# Altium PCB PCB2.PcbDoc (part 11 of 16) (continued)
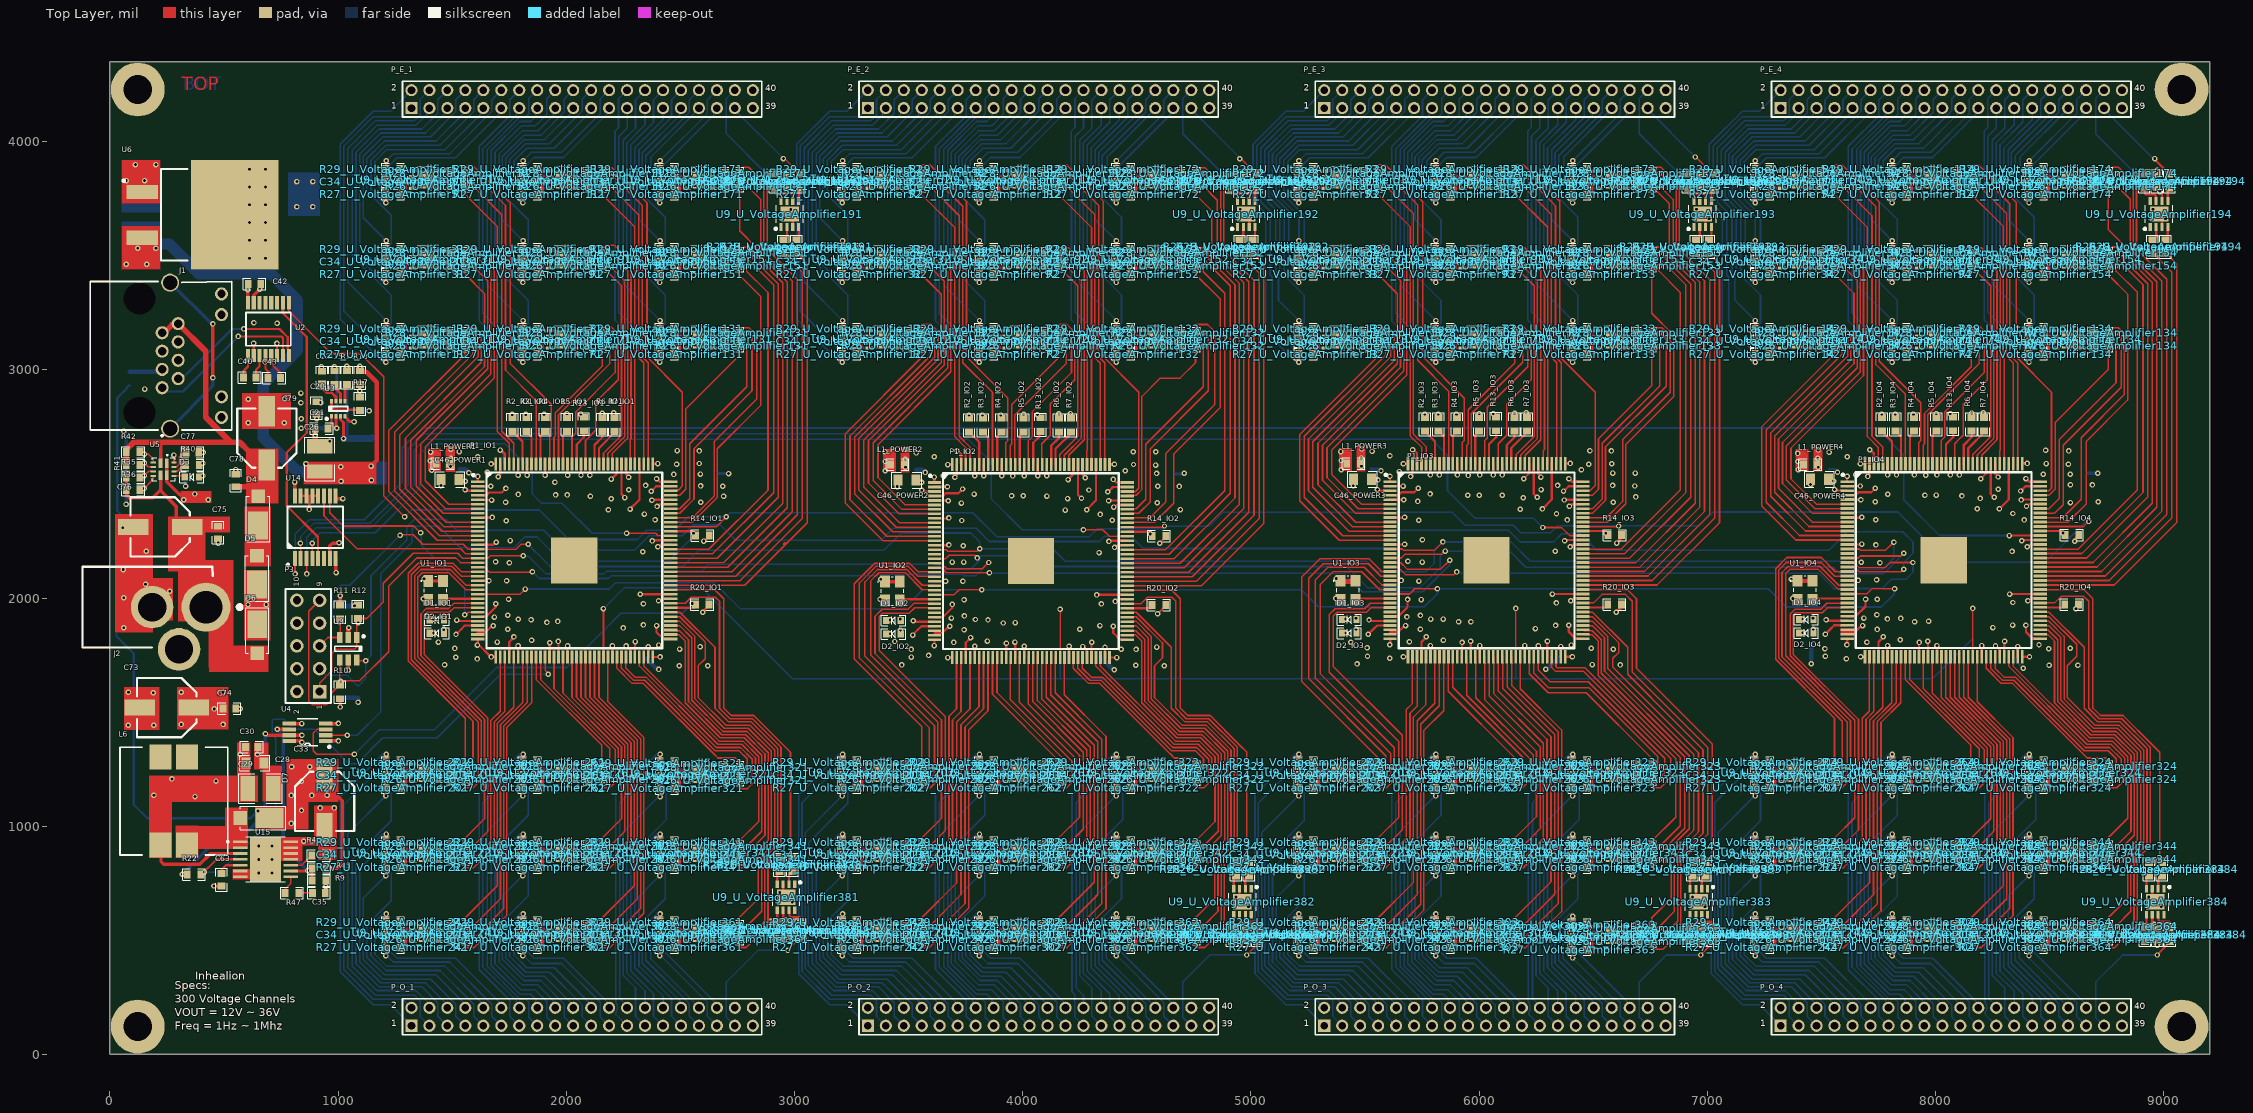
[diagram p0: Top Layer view]
## Nets (pads, with @x,y where several pads share a name; then routed paths per layer and width w, separated by ;. In a path a pad name is that pad's centre, name@x,y a point inside that pad or via, vN(x,y) a via of type N, cw(c..) or ccw(c..) an arc to the next point about the centre after c; other vN are vias at no path point) (continued)
  Top Layer w10: R26_U_VoltageAmplifier153.1@6756.63,3454.72 R26_U_VoltageAmplifier153.1@6757.09,3455.18
V_F3_IN30: P1_IO3.91 R28_U_VoltageAmplifier153.1 | length 1786.6
  Top Layer w7: P1_IO3.91@6455.48,2175.23 6455.68,2175.03 6659.83,2175.03 6926.93,2442.13 6926.93,3376.44 6815.11,3488.26 6815.11,3520.33 6797.31,3538.13 6773.99,3538.13 6753.99,3518.13 R28_U_VoltageAmplifier153.1@6753.99,3515.63
  Top Layer w10: R28_U_VoltageAmplifier153.1@6753.99,3515.63 R28_U_VoltageAmplifier153.1@6754.45,3516.09
V_F3_IN31: P1_IO3.92 R26_U_VoltageAmplifier163.1 | length 1698.1
  Top Layer w7: P1_IO3.92@6455.48,2194.91 6455.68,2194.72 6638.64,2194.72 6906.36,2462.43 6906.36,3372.08 6787.99,3490.45 v1@6787.99,3515.63
  Bottom Layer w10: R26_U_VoltageAmplifier163.1@6757.09,3512.18 v1(6791.09,3512.18)
V_F3_IN32: P1_IO3.93 R28_U_VoltageAmplifier163.1 | length 1591.7
  Top Layer w7: P1_IO3.93@6455.48,2214.6 6455.68,2214.4 6622.62,2214.4 6881.87,2473.65 6881.87,3339.17 6787.99,3433.06 v1@6787.99,3458.63
  Bottom Layer w10: R28_U_VoltageAmplifier163.1@6757.09,3455.18 v1(6791.09,3455.18)
V_F3_IN33: P1_IO3.90 R26_U_VoltageAmplifier173.1 | length 2068.9
  Top Layer w7: P1_IO3.90@6455.48,2155.54 6455.68,2155.35 6687.1,2155.35 6946.52,2414.77 6946.52,3382.13 6833.14,3495.51 6833.14,3729.13 6771.09,3791.18 6768.59,3791.18 6757.09,3802.68 R26_U_VoltageAmplifier173.1@6757.09,3805.18
V_F3_IN34: P1_IO3.87 R28_U_VoltageAmplifier173.1 | length 2331.4
  Top Layer w7: P1_IO3.87@6455.48,2096.49 6455.68,2096.29 6740.21,2096.29 7010.18,2366.26 7010.18,3396.25 6877.86,3528.57 6877.86,3807.57 6797.31,3888.13 6773.99,3888.13 6753.99,3868.13 R28_U_VoltageAmplifier173.1@6753.99,3865.63
  Top Layer w10: R28_U_VoltageAmplifier173.1@6753.99,3865.63 R28_U_VoltageAmplifier173.1@6754.45,3866.09
V_F3_IN35: P1_IO3.88 R26_U_VoltageAmplifier183.1 | length 2244.3
  Top Layer w7: P1_IO3.88@6455.48,2116.17 6455.68,2115.98 6724.24,2115.98 6987.66,2379.39 6987.66,3389.61 6863.86,3513.4 6863.86,3789.75 v1@6787.99,3865.63
  Bottom Layer w10: R26_U_VoltageAmplifier183.1@6757.09,3862.18 v1(6791.09,3862.18)
V_F3_IN36: P1_IO3.89 R28_U_VoltageAmplifier183.1 | length 2138.4
  Top Layer w7: P1_IO3.89@6455.48,2135.86 6455.68,2135.66 6704.8,2135.66 6966.11,2396.97 6966.11,3385.23 6849.86,3501.47 6849.86,3746.75 v1@6787.99,3808.63
  Bottom Layer w10: R28_U_VoltageAmplifier183.1@6757.09,3805.18 v1(6791.09,3805.18)
V_F3_IN37: P1_IO3.86 R26_U_VoltageAmplifier193.1 | length 1888.6
  Top Layer w7: P1_IO3.86@6455.48,2076.8 6455.68,2076.61 6758.78,2076.61 7032.71,2350.53 7032.71,3428.25 R26_U_VoltageAmplifier193.1@6947.75,3513.21
V_F3_IN38: P1_IO3.85 R28_U_VoltageAmplifier193.1 | length 1914.2
  Top Layer w7: P1_IO3.85@6455.48,2057.12 6455.68,2056.92 6779.97,2056.92 7053.28,2330.23 7053.28,3464.68 R28_U_VoltageAmplifier193.1@7004.75,3513.21
V_F3_IN39: P1_IO3.25 R26_U_VoltageAmplifier203.1 | length 1473.9
  Top Layer w7: R26_U_VoltageAmplifier203.1@5557.09,1205.18 5557.09,1172.74 5561.19,1168.64 5594.15,1168.64 5627.59,1202.08 5627.59,1344.21 5304.45,1667.35 5304.45,2060.65 5359.39,2115.59 5486.13,2115.59 5565.14,2036.58 P1_IO3.25@5611.97,2036.58
V_F3_IN40: P1_IO3.21 R28_U_VoltageAmplifier203.1 | length 1414
  Top Layer w7: R28_U_VoltageAmplifier203.1@5557.55,1262.64 5557.55,1298.72 5223.44,1632.82 5223.44,2093.76 5301.05,2171.37 5518.49,2171.37 5574.54,2115.32 P1_IO3.21@5611.97,2115.32
  Top Layer w10: R28_U_VoltageAmplifier203.1@5557.09,1262.18 R28_U_VoltageAmplifier203.1@5557.55,1262.64
V_F3_IN41: P1_IO3.22 R26_U_VoltageAmplifier213.1 | length 1406.4
  Top Layer w7: v1(5591.09,1262.18) 5591.09,1308.83 5253.11,1646.81 5253.11,2086.54 5317.03,2150.47 5514.4,2150.47 5569.23,2095.64 P1_IO3.22@5611.97,2095.64
  Bottom Layer w10: R26_U_VoltageAmplifier213.1@5557.09,1262.18 v1(5591.09,1262.18)
V_F3_IN42: P1_IO3.24 R28_U_VoltageAmplifier213.1 | length 1439.6
  Top Layer w7: v1(5591.09,1205.18) 5613.59,1227.68 5613.59,1317.14 5281.63,1649.09 5281.63,2079.13 5337.52,2135.02 5496.68,2135.02 5574.54,2057.17 P1_IO3.24@5611.07,2057.17
  Bottom Layer w10: R28_U_VoltageAmplifier213.1@5557.09,1205.18 v1(5591.09,1205.18)
V_F3_IN43: P1_IO3.39 R26_U_VoltageAmplifier223.1 | length 1049.7
  Top Layer w7: R26_U_VoltageAmplifier223.1@5557.09,855.18 5557.09,822.74 5561.19,818.64 5592.16,818.64 5697.26,923.74 5697.26,1494.7 5728.11,1525.55 5728.11,1742.13 P1_IO3.39@5727.61,1742.63
V_F3_IN44: P1_IO3.28 R28_U_VoltageAmplifier223.1 | length 1467.9
  Top Layer w7: R28_U_VoltageAmplifier223.1@5557.09,912.18 5557.09,948.26 5647.26,1038.44 5647.26,1371.31 5343.37,1675.2 5343.37,1927.49 5369.14,1953.26 5498.93,1953.26 5523.2,1977.53 P1_IO3.28@5611.97,1977.53
V_F3_IN45: P1_IO3.29 R26_U_VoltageAmplifier233.1 | length 1463.4
  Top Layer w7: v1(5591.09,912.18) 5662.61,983.7 5662.61,1398.18 5361.26,1699.52 5361.26,1921.3 5377.78,1937.82 5506.23,1937.82 5526.25,1957.84 P1_IO3.29@5611.97,1957.84
  Bottom Layer w10: R26_U_VoltageAmplifier233.1@5557.09,912.18 v1(5591.09,912.18)
V_F3_IN46: P1_IO3.38 R28_U_VoltageAmplifier233.1 | length 969.8
  Top Layer w7: v1(5591.09,855.18) 5681.26,945.35 5681.26,1511.37 5707.64,1537.74 5707.64,1742.34 P1_IO3.38@5707.92,1742.63
  Bottom Layer w10: R28_U_VoltageAmplifier233.1@5557.09,855.18 v1(5591.09,855.18)
V_F3_IN47: P1_IO3.45 R26_U_VoltageAmplifier243.1 | length 1450.9
  Top Layer w7: R26_U_VoltageAmplifier243.1@5556.63,504.72 5556.63,472.28 5560.73,468.18 5594.04,468.18 5758.19,632.34 5758.19,1420.06 5844.64,1506.51 5844.64,1741.54 P1_IO3.45@5845.72,1742.63
  Top Layer w10: R26_U_VoltageAmplifier243.1@5556.63,504.72 R26_U_VoltageAmplifier243.1@5557.09,505.18
V_F3_IN48: P1_IO3.41 R28_U_VoltageAmplifier243.1 | length 1267.4
  Top Layer w7: R28_U_VoltageAmplifier243.1@5557.55,562.64 5557.55,598.72 5712.14,753.32 5712.14,1478.54 5766.94,1533.35 P1_IO3.41@5766.98,1742.63 P1_IO3.41@5766.98,1742.63
  Top Layer w10: R28_U_VoltageAmplifier243.1@5557.09,562.18 R28_U_VoltageAmplifier243.1@5557.55,562.64
V_F3_IN49: P1_IO3.43 R26_U_VoltageAmplifier253.1 | length 1303.6
  Top Layer w7: v1(5591.09,562.18) 5729.21,700.31 5729.21,1462.31 5805.27,1538.36 5805.27,1741.54 P1_IO3.43@5806.35,1742.63
  Bottom Layer w10: R26_U_VoltageAmplifier253.1@5557.09,562.18 v1(5591.09,562.18)
V_F3_IN50: P1_IO3.44 R28_U_VoltageAmplifier253.1 | length 1368.8
  Top Layer w7: v1(5591.09,505.18) 5743.82,657.92 5743.82,1446.53 5824.95,1527.65 5824.95,1741.54 P1_IO3.44@5826.03,1742.63
  Bottom Layer w10: R28_U_VoltageAmplifier253.1@5557.09,505.18 v1(5591.09,505.18)
V_F3_IN51: P1_IO3.52 R26_U_VoltageAmplifier263.1 | length 764
  Top Layer w7: P1_IO3.52@5985.51,1741.78 5985.51,1563.29 6237.26,1311.55 6237.26,1215.95 6189.95,1168.64 6161.19,1168.64 6157.09,1172.74 R26_U_VoltageAmplifier263.1@6157.09,1205.18
V_F3_IN52: P1_IO3.46 R28_U_VoltageAmplifier263.1 | length 602.2
  Top Layer w7: P1_IO3.46@5865.4,1742.63 5864.32,1741.54 5864.32,1591.95 6156.96,1299.3 6156.96,1262.3 R28_U_VoltageAmplifier263.1@6157.09,1262.18
V_F3_IN53: P1_IO3.47 R26_U_VoltageAmplifier273.1 | length 642.1
  Top Layer w7: P1_IO3.47@5885.09,1742.63 5884.01,1741.54 5884.01,1609.03 6191.09,1301.95 v1(6191.09,1262.18)
  Bottom Layer w10: R26_U_VoltageAmplifier273.1@6157.09,1262.18 v1(6191.09,1262.18)
V_F3_IN54: P1_IO3.50 R28_U_VoltageAmplifier273.1 | length 697.1
  Top Layer w7: P1_IO3.50@5946.14,1741.78 5946.14,1573.31 6221.26,1298.19 6221.26,1235.35 v1(6191.09,1205.18)
  Bottom Layer w10: R28_U_VoltageAmplifier273.1@6157.09,1205.18 v1(6191.09,1205.18)
V_F3_IN55: P1_IO3.57 R26_U_VoltageAmplifier283.1 | length 1127.6
  Top Layer w7: P1_IO3.57@6081.94,1742.63 6083.07,1741.49 6083.07,1594.15 6297.26,1379.96 6297.26,922.51 6193.16,818.41 6160.96,818.41 6156.86,822.51 R26_U_VoltageAmplifier283.1@6156.86,854.95
  Top Layer w10: R26_U_VoltageAmplifier283.1@6156.63,854.72 R26_U_VoltageAmplifier283.1@6157.09,855.18
V_F3_IN56: P1_IO3.54 R28_U_VoltageAmplifier283.1 | length 964.1
  Top Layer w7: P1_IO3.54@6022.89,1742.63 6024.02,1741.49 6024.02,1554.87 6251.26,1327.63 6251.26,1042.44 6157.09,948.26 R28_U_VoltageAmplifier283.1@6157.09,912.18
V_F3_IN57: P1_IO3.55 R26_U_VoltageAmplifier293.1 | length 989.1
  Top Layer w7: P1_IO3.55@6042.57,1742.63 6043.7,1741.49 6043.7,1571.88 6267.26,1348.32 6267.26,988.35 v1(6191.09,912.18)
  Bottom Layer w10: R26_U_VoltageAmplifier293.1@6157.09,912.18 v1(6191.09,912.18)
V_F3_IN58: P1_IO3.56 R28_U_VoltageAmplifier293.1 | length 1049.5
  Top Layer w7: P1_IO3.56@6062.26,1742.63 6063.39,1741.49 6063.39,1581.54 6281.26,1363.67 6281.26,945.35 v1(6191.09,855.18)
  Bottom Layer w10: R28_U_VoltageAmplifier293.1@6157.09,855.18 v1(6191.09,855.18)
V_F3_IN59: P1_IO3.62 R26_U_VoltageAmplifier303.1 | length 1496.5
  Top Layer w7: R26_U_VoltageAmplifier303.1@6156.63,504.72 6156.63,472.28 6160.73,468.18 6203.31,468.18 6361.26,626.13 6361.26,1421.41 6180.04,1602.63 6180.04,1742.3 P1_IO3.62@6180.37,1742.63
  Top Layer w10: R26_U_VoltageAmplifier303.1@6156.63,504.72 R26_U_VoltageAmplifier303.1@6157.09,505.18
V_F3_IN60: P1_IO3.58 R28_U_VoltageAmplifier303.1 | length 1334.2
  Top Layer w7: P1_IO3.58@6101.63,1742.63 6102.76,1741.49 6102.76,1604.55 6314.95,1392.35 6314.95,756.13 6157.55,598.72 R28_U_VoltageAmplifier303.1@6157.55,562.64
  Top Layer w10: R28_U_VoltageAmplifier303.1@6157.09,562.18 R28_U_VoltageAmplifier303.1@6157.55,562.64
V_F3_IN61: P1_IO3.59 R26_U_VoltageAmplifier313.1 | length 1359.5
  Top Layer w7: P1_IO3.59@6121.31,1742.63 6122.44,1741.49 6122.44,1610.55 6331.26,1401.73 6331.26,702.35 v1(6191.09,562.18)
  Bottom Layer w10: R26_U_VoltageAmplifier313.1@6157.09,562.18 v1(6191.09,562.18)
V_F3_IN62: P1_IO3.60 R28_U_VoltageAmplifier313.1 | length 1421.6
  Top Layer w7: P1_IO3.60@6141,1742.63 6142.13,1741.49 6142.13,1618.01 6347.26,1412.88 6347.26,661.35 v1(6191.09,505.18)
  Bottom Layer w10: R28_U_VoltageAmplifier313.1@6157.09,505.18 v1(6191.09,505.18)
V_F3_IN63: P1_IO3.69 R26_U_VoltageAmplifier323.1 | length 952.9
  Top Layer w7: P1_IO3.69@6318.16,1742.63 6317.36,1741.83 6317.36,1696.28 6335.2,1678.43 6458.18,1678.43 6839.14,1297.47 6839.14,1212.61 6795.17,1168.64 6761.19,1168.64 6757.09,1172.74 R26_U_VoltageAmplifier323.1@6757.09,1205.18
V_F3_IN64: P1_IO3.64 R28_U_VoltageAmplifier323.1 | length 800.6
  Top Layer w7: P1_IO3.64@6219.74,1742.63 6219.74,1668.25 6303.09,1584.89 6468.96,1584.89 6757.55,1296.31 R28_U_VoltageAmplifier323.1@6757.55,1262.64
  Top Layer w10: R28_U_VoltageAmplifier323.1@6757.09,1262.18 R28_U_VoltageAmplifier323.1@6757.55,1262.64
V_F3_IN65: P1_IO3.65 R26_U_VoltageAmplifier333.1 | length 845
  Top Layer w7: P1_IO3.65@6239.42,1742.63 6238.7,1741.91 6238.7,1672.03 6304.21,1606.52 6481.57,1606.52 6754.38,1333.7 6782.59,1305.5 6782.59,1274.78 v1@6792.26,1265.11
  Bottom Layer w10: R26_U_VoltageAmplifier333.1@6757.09,1262.18 v1(6791.09,1262.18)
V_F3_IN66: P1_IO3.66 R28_U_VoltageAmplifier333.1 | length 912
  Top Layer w7: P1_IO3.66@6259.11,1742.63 6259.11,1684.21 6310.3,1633.01 6478.38,1633.01 6813.59,1297.81 6813.59,1232.06 6792.26,1210.73 v1@6792.26,1201.59
  Bottom Layer w10: R28_U_VoltageAmplifier333.1@6757.09,1205.18 v1(6791.09,1205.18)
V_F3_IN67: P1_IO3.76 R26_U_VoltageAmplifier343.1 | length 1401.2
  Top Layer w7: P1_IO3.76@6457.48,1879.1 6496.09,1879.1 6549.46,1825.73 6549.46,1680.02 6921.26,1308.22 6921.26,988.98 6819.14,886.86 6819.14,844.99 6791.17,817.03 6760.73,817.03 6756.63,821.13 R26_U_VoltageAmplifier343.1@6756.63,854.72
  Top Layer w10: R26_U_VoltageAmplifier343.1@6756.63,854.72 R26_U_VoltageAmplifier343.1@6757.09,855.18
V_F3_IN68: P1_IO3.70 R28_U_VoltageAmplifier343.1 | length 1163.3
  Top Layer w7: P1_IO3.70@6337.85,1742.63 6336.82,1741.61 6336.82,1698.21 6340.92,1694.11 6463.93,1694.11 6861.26,1296.79 6861.26,1039.31 6757.09,935.13 R28_U_VoltageAmplifier343.1@6757.09,912.18
V_F3_IN69: P1_IO3.74 R26_U_VoltageAmplifier353.1 | length 1195.3
  Top Layer w7: P1_IO3.74@6457.48,1839.73 6493.02,1839.73 6521.46,1811.29 6521.46,1660.57 6764.27,1417.76 6881.26,1300.77 6881.26,1002.35 v1(6791.09,912.18)
  Bottom Layer w10: R26_U_VoltageAmplifier353.1@6757.09,912.18 v1(6791.09,912.18)
V_F3_IN70: P1_IO3.75 R28_U_VoltageAmplifier353.1 | length 1288.6
  Top Layer w7: P1_IO3.75@6457.48,1859.42 6459.89,1857.01 6495.54,1857.01 6535.46,1817.09 6535.46,1669.89 6901.26,1304.09 6901.26,990.53 6791.09,880.36 v1(6791.09,855.18)
  Bottom Layer w10: R28_U_VoltageAmplifier353.1@6757.09,855.18 v1(6791.09,855.18)
V_F3_IN71: P1_IO3.81 R26_U_VoltageAmplifier363.1 | length 2068.3
  Top Layer w7: P1_IO3.81@6455.48,1978.38 6458.58,1978.38 6501.33,1978.38 6538.54,2015.59 6641.26,2015.59 6671.26,1985.59 6671.26,1675.59 7001.26,1345.59 7001.26,963.51 6883.9,846.14 6883.9,538.79 6862.29,517.18 6862.29,516.62 6806.1,460.43 6760.73,460.43 6756.63,464.53 R26_U_VoltageAmplifier363.1@6756.63,494.72
  Top Layer w10: R26_U_VoltageAmplifier363.1@6756.63,494.72 R26_U_VoltageAmplifier363.1@6757.09,495.18
V_F3_IN72: P1_IO3.77 R28_U_VoltageAmplifier363.1 | length 1646
  Top Layer w7: P1_IO3.77@6457.48,1898.79 6496.2,1898.79 6563.46,1831.53 6563.46,1690.9 6941.26,1313.1 6941.26,983.1 6841.9,883.74 6841.9,683.07 6757.09,598.26 R28_U_VoltageAmplifier363.1@6757.09,552.18
V_F3_IN73: P1_IO3.78 R26_U_VoltageAmplifier373.1 | length 1714.5
  Top Layer w7: P1_IO3.78@6457.48,1918.47 6497.02,1918.47 6612.53,1802.96 6612.53,1762.19 6586.09,1735.75 6586.09,1697.58 6961.26,1322.41 6961.26,974.95 6855.9,869.59 6855.9,626.99 v1@6791.09,562.18
  Bottom Layer w10: R26_U_VoltageAmplifier373.1@6757.09,552.18 v1(6791.09,552.18)
V_F3_IN74: P1_IO3.79 R28_U_VoltageAmplifier373.1 | length 1785.9
  Top Layer w7: P1_IO3.79@6457.48,1938.16 6497.13,1938.16 6651.31,1783.98 6651.31,1665.54 6859.79,1457.06 6981.26,1335.59 6981.26,969.44 6869.9,858.08 6869.9,583.99 v1@6791.09,505.18
  Bottom Layer w10: R28_U_VoltageAmplifier373.1@6757.09,495.18 v1(6791.09,495.18)
V_F3_IN75: P1_IO3.84 R26_U_VoltageAmplifier383.1 | length 1555.3
  Top Layer w7: P1_IO3.84@6457.48,2036.58 6650.2,2036.58 6689.78,1997 6689.78,1692.19 7021.26,1360.71 7021.26,871.01 7005.67,855.42 7005.67,852.92 6994.17,841.42 R26_U_VoltageAmplifier383.1@6991.67,841.42
V_F4_IN1: P1_IO4.14 R26_U_VoltageAmplifier14.1 | length 1272.1
  Top Layer w7: R26_U_VoltageAmplifier14.1@7557.63,3105.72 7557.63,3069.64 7237.68,2749.69 7237.68,2404.24 7387.8,2254.12 P1_IO4.14@7612.97,2254.12
  Top Layer w10: R26_U_VoltageAmplifier14.1@7557.63,3105.72 R26_U_VoltageAmplifier14.1@7558.09,3106.18
V_F4_IN2: P1_IO4.11 R28_U_VoltageAmplifier14.1 | length 1306.8
  Top Layer w7: R28_U_VoltageAmplifier14.1@7558.09,3163.18 7558.09,3165.68 7579.49,3187.08 7600.01,3187.08 7628.59,3158.5 7628.59,3043.07 7295.16,2709.65 7295.16,2463.69 7445.68,2313.17 P1_IO4.11@7612.97,2313.17
V_F4_IN3: P1_IO4.12 R26_U_VoltageAmplifier24.1 | length 1298.1
  Top Layer w7: v1@7592.09,3163.18 7614.59,3140.68 7614.59,3059.2 7278.05,2722.67 7278.05,2445.89 7430.45,2293.49 P1_IO4.12@7612.97,2293.49
  Bottom Layer w10: R26_U_VoltageAmplifier24.1@7557.09,3162.18 v1(7591.09,3162.18)
V_F4_IN4: P1_IO4.13 R28_U_VoltageAmplifier24.1 | length 1274.6
  Top Layer w7: v1@7592.09,3106.18 7592.09,3070.52 7257.68,2736.12 7257.68,2419.83 7403.71,2273.8 P1_IO4.13@7612.97,2273.8
  Bottom Layer w10: R28_U_VoltageAmplifier24.1@7557.09,3105.18 v1(7591.09,3105.18)
V_F4_IN5: P1_IO4.10 R26_U_VoltageAmplifier34.1 | length 1509.1
  Top Layer w7: R26_U_VoltageAmplifier34.1@7557.09,3455.18 7557.09,3420.18 7642.59,3334.68 7642.59,3027.75 7311.86,2697.02 7311.86,2480.95 7459.95,2332.86 P1_IO4.10@7612.97,2332.86
V_F4_IN6: P1_IO4.6 R28_U_VoltageAmplifier34.1 | length 1555.2
  Top Layer w7: R28_U_VoltageAmplifier34.1@7557.09,3512.18 7557.09,3544.62 7561.19,3548.72 7587.75,3548.72 7684.59,3451.89 7684.59,2974.83 7366.85,2657.09 7366.85,2521.86 7477.11,2411.6 P1_IO4.6@7612.97,2411.6
V_F4_IN7: P1_IO4.7 R26_U_VoltageAmplifier44.1 | length 1515.4
  Top Layer w7: v1@7592.09,3513.18 7670.59,3434.68 7670.59,2990.57 7346.48,2666.47 7346.48,2516.74 7471.31,2391.91 P1_IO4.7@7612.97,2391.91
  Bottom Layer w10: R26_U_VoltageAmplifier44.1@7557.09,3512.18 v1(7591.09,3512.18)
V_F4_IN8: P1_IO4.8 R28_U_VoltageAmplifier44.1 | length 1487.8
  Top Layer w7: v1@7592.09,3456.18 7656.59,3391.68 7656.59,3009.16 7329.38,2681.95 7329.38,2502 7459.15,2372.23 P1_IO4.8@7612.97,2372.23
  Bottom Layer w10: R28_U_VoltageAmplifier44.1@7557.09,3455.18 v1(7591.09,3455.18)
V_F4_IN9: P1_IO4.141 R26_U_VoltageAmplifier54.1 | length 1297.5
  Top Layer w7: R26_U_VoltageAmplifier54.1@7557.09,3805.18 7557.09,3768.18 7701.49,3623.78 7701.49,2707.55 7749.29,2659.74 P1_IO4.141@7749.29,2587.29
V_F4_IN10: P1_IO4.132 R28_U_VoltageAmplifier54.1 | length 1525
  Top Layer w7: R28_U_VoltageAmplifier54.1@7557.09,3862.18 7557.09,3894.62 7561.19,3898.72 7590.08,3898.72 7753.59,3735.21 7753.59,3036.99 7935.05,2855.53 7935.05,2710.45 7935.05,2690.13 7926.46,2681.54 P1_IO4.132@7926.46,2587.29
V_F4_IN11: P1_IO4.135 R26_U_VoltageAmplifier64.1 | length 1423.3
  Top Layer w7: v1(7591.09,3862.18) 7738.78,3714.48 7738.78,3022.94 7867.4,2894.31 P1_IO4.135@7867.4,2587.29
  Bottom Layer w10: R26_U_VoltageAmplifier64.1@7557.09,3862.18 v1(7591.09,3862.18)
V_F4_IN12: P1_IO4.140 R28_U_VoltageAmplifier64.1 | length 1325.6
  Top Layer w7: v1(7591.09,3805.18) 7721.5,3674.77 7721.5,2708.89 7768.98,2661.41 P1_IO4.140@7768.98,2587.29
  Bottom Layer w10: R28_U_VoltageAmplifier64.1@7557.09,3805.18 v1(7591.09,3805.18)
V_F4_IN13: P1_IO4.131 R26_U_VoltageAmplifier74.1 | length 604.6
  Top Layer w7: P1_IO4.131@7946.14,2587.29 7946.14,2669.5 7951.83,2675.19 7951.83,2808.28 8156.63,3013.08 R26_U_VoltageAmplifier74.1@8156.63,3104.72
V_F4_IN14: P1_IO4.124 R28_U_VoltageAmplifier74.1 | length 865.9
  Top Layer w7: P1_IO4.124@8083.94,2587.29 8083.94,2676.54 8105.5,2698.1 8120.97,2713.57 8120.97,2850.37 8227.59,2956.99 8227.59,3157.5 8194.91,3190.18 8164.68,3190.18 8160.58,3186.08 8160.58,3169.64 R28_U_VoltageAmplifier74.1@8151.26,3169.64 ; P1_IO4.124@8084.94,2588.29 8084.94,2677.63 8105.46,2698.15
  Top Layer w10: R28_U_VoltageAmplifier74.1@8151.26,3169.64 8151.26,3168.01 R28_U_VoltageAmplifier74.1@8157.09,3162.18
V_F4_IN15: P1_IO4.127 R26_U_VoltageAmplifier84.1 | length 696.4
  Top Layer w7: P1_IO4.127@8024.89,2587.29 8024.89,2689.88 8040.96,2705.95 8040.96,2815.61 8213.59,2988.24 8213.59,3139.68 v1(8191.09,3162.18)
  Bottom Layer w10: R26_U_VoltageAmplifier84.1@8157.09,3162.18 v1(8191.09,3162.18)
V_F4_IN16: P1_IO4.130 R28_U_VoltageAmplifier84.1 | length 714.3
  Top Layer w7: P1_IO4.130@7965.83,2587.29 7965.83,2802.48 8191.09,3027.74 v1(8191.09,3105.18) 8191.09,3036.09
  Bottom Layer w10: R28_U_VoltageAmplifier84.1@8157.09,3105.18 v1(8191.09,3105.18)
V_F4_IN17: P1_IO4.120 R26_U_VoltageAmplifier94.1 | length 935.3
  Top Layer w7: R26_U_VoltageAmplifier94.1@8156.63,3454.72 8156.63,3453.14 8241.59,3368.18 8241.59,2708.04 8162.68,2629.14 P1_IO4.120@8162.68,2587.29
V_F4_IN18: P1_IO4.114 R28_U_VoltageAmplifier94.1 | length 1038.4
  Top Layer w7: R28_U_VoltageAmplifier94.1@8157.09,3512.18 8157.09,3514.68 8177.09,3534.68 8200.41,3534.68 8282.37,3452.72 8282.37,3440.7 8283.59,3439.48 8283.59,2648.22 8280.79,2645.43 P1_IO4.114@8280.79,2587.29
  Top Layer w10: R28_U_VoltageAmplifier94.1@8157.09,3512.18 8157.55,3512.64 R28_U_VoltageAmplifier94.1@8157.09,3512.18
V_F4_IN19: P1_IO4.118 R26_U_VoltageAmplifier104.1 | length 1019.4
  Top Layer w7: v1(8191.09,3512.18) 8269.59,3433.68 8269.59,2693.62 8202.05,2626.08 P1_IO4.118@8202.05,2587.29
  Bottom Layer w10: R26_U_VoltageAmplifier104.1@8157.09,3512.18 v1(8191.09,3512.18)
V_F4_IN20: P1_IO4.119 R28_U_VoltageAmplifier104.1 | length 958.9
  Top Layer w7: P1_IO4.119@8182.37,2587.29 8182.37,2626.19 8188.05,2631.88 8255.59,2699.42 8255.59,3390.68 v1(8191.09,3455.18)
  Bottom Layer w10: R28_U_VoltageAmplifier104.1@8157.09,3455.18 v1(8191.09,3455.18)
V_F4_IN21: P1_IO4.113 R26_U_VoltageAmplifier114.1 | length 1277
  Top Layer w7: R26_U_VoltageAmplifier114.1@8156.63,3804.72 8156.63,3768.64 8297.59,3627.68 8297.59,3053.46 8300.48,3050.58 P1_IO4.113@8300.48,2587.29
V_F4_IN22: P1_IO4.106 R28_U_VoltageAmplifier114.1 | length 1669.8
  Top Layer w7: R28_U_VoltageAmplifier114.1@8157.09,3862.18 8157.09,3894.62 8161.19,3898.72 8188.4,3898.72 8353.59,3733.53 8353.59,3056.86 8508.36,2902.09 8508.36,2481.11 8498.02,2470.77 8458.6,2470.77 P1_IO4.106@8458.48,2470.65
V_F4_IN23: P1_IO4.110 R26_U_VoltageAmplifier124.1 | length 1378.7
  Top Layer w7: v1(8191.09,3862.18) 8325.59,3727.68 8325.59,3065.06 8359.53,3031.12 P1_IO4.110@8359.53,2587.29
  Bottom Layer w10: R26_U_VoltageAmplifier124.1@8157.09,3862.18 v1(8191.09,3862.18)
V_F4_IN24: P1_IO4.111 R28_U_VoltageAmplifier124.1 | length 1313.5
  Top Layer w7: v1(8191.09,3805.18) 8311.59,3684.68 8311.59,3059.26 8339.85,3031 P1_IO4.111@8339.85,2587.29
  Bottom Layer w10: R28_U_VoltageAmplifier124.1@8157.09,3805.18 v1(8191.09,3805.18)
V_F4_IN25: P1_IO4.105 R26_U_VoltageAmplifier134.1 | length 802.5
  Top Layer w7: P1_IO4.105@8457.48,2449.97 8497.02,2449.97 8525.2,2478.15 8525.2,2769.53 8719.47,2963.8 8757.09,3001.42 R26_U_VoltageAmplifier134.1@8757.09,3105.18
V_F4_IN26: P1_IO4.100 R28_U_VoltageAmplifier134.1 | length 1111.1
  Top Layer w7: P1_IO4.100@8457.48,2351.54 8557.66,2351.54 8638.39,2432.28 8638.39,2702.7 8827.59,2891.9 8827.59,3157.5 8800.41,3184.68 8777.09,3184.68 8757.09,3164.68 R28_U_VoltageAmplifier134.1@8757.09,3162.18
  Top Layer w10: R28_U_VoltageAmplifier134.1@8757.09,3162.18 R28_U_VoltageAmplifier134.1@8757.55,3162.64
V_F4_IN27: P1_IO4.101 R26_U_VoltageAmplifier144.1 | length 1019.3
  Top Layer w7: P1_IO4.101@8457.48,2371.23 8521.56,2371.23 8559.56,2409.22 8559.56,2669.33 8813.59,2923.35 8813.59,3139.68 v1(8791.09,3162.18)
  Bottom Layer w10: R26_U_VoltageAmplifier144.1@8757.09,3162.18 v1(8791.09,3162.18)
V_F4_IN28: P1_IO4.102 R28_U_VoltageAmplifier144.1 | length 909.6
  Top Layer w7: P1_IO4.102@8457.48,2390.91 8497.02,2390.91 8542.44,2436.34 8542.44,2694.18 8791.09,2942.83 v1(8791.09,3105.18)
  Bottom Layer w10: R28_U_VoltageAmplifier144.1@8757.09,3105.18 v1(8791.09,3105.18)
V_F4_IN29: P1_IO4.99 R26_U_VoltageAmplifier154.1 | length 1389
  Top Layer w7: P1_IO4.99@8457.48,2331.86 8579.64,2331.86 8661.36,2413.58 8661.36,2687.17 8841.59,2867.4 8841.59,3331.75 8758.76,3414.58 8758.76,3453.51 R26_U_VoltageAmplifier154.1@8757.09,3455.18
V_F4_IN30: P1_IO4.91 R28_U_VoltageAmplifier154.1 | length 1792.3
  Top Layer w7: P1_IO4.91@8458.48,2175.38 8458.68,2175.18 8662.83,2175.18 8929.93,2442.28 8929.93,3376.59 8820.53,3485.99 8820.53,3524.53 8806.78,3538.28 8773.92,3538.28 8768.59,3532.95 8768.59,3526.18 8758.19,3515.78 R28_U_VoltageAmplifier154.1@8756.99,3515.78
V_F4_IN31: P1_IO4.92 R26_U_VoltageAmplifier164.1 | length 1698.1
  Top Layer w7: P1_IO4.92@8458.48,2195.06 8458.68,2194.87 8641.64,2194.87 8909.36,2462.58 8909.36,3372.23 8790.99,3490.6 v1@8790.99,3515.78
  Bottom Layer w10: R26_U_VoltageAmplifier164.1@8757.09,3512.18 v1(8791.09,3512.18)
V_F4_IN32: P1_IO4.93 R28_U_VoltageAmplifier164.1 | length 1591.7
  Top Layer w7: P1_IO4.93@8458.48,2214.75 8458.68,2214.55 8625.62,2214.55 8884.87,2473.81 8884.87,3339.32 8790.99,3433.21 v1@8790.99,3458.78
  Bottom Layer w10: R28_U_VoltageAmplifier164.1@8757.09,3455.18 v1(8791.09,3455.18)
V_F4_IN33: P1_IO4.90 R26_U_VoltageAmplifier174.1 | length 2071.9
  Top Layer w7: P1_IO4.90@8458.48,2155.69 8458.68,2155.5 8690.1,2155.5 8949.52,2414.92 8949.52,3382.28 8835.05,3496.75 8835.05,3536.6 8756.53,3615.13 8756.53,3687.05 R26_U_VoltageAmplifier174.1@8756.53,3808.32
V_F4_IN34: P1_IO4.87 R28_U_VoltageAmplifier174.1 | length 2331.4
  Top Layer w7: P1_IO4.87@8458.48,2096.64 8458.68,2096.44 8743.21,2096.44 9013.18,2366.41 9013.18,3396.4 8880.86,3528.72 8880.86,3807.72 8800.31,3888.28 8776.99,3888.28 8756.99,3868.28 R28_U_VoltageAmplifier174.1@8756.99,3865.78
  Top Layer w10: R28_U_VoltageAmplifier174.1@8756.99,3865.78 R28_U_VoltageAmplifier174.1@8757.45,3866.24
V_F4_IN35: P1_IO4.88 R26_U_VoltageAmplifier184.1 | length 2244.3
  Top Layer w7: P1_IO4.88@8458.48,2116.32 8458.68,2116.13 8727.24,2116.13 8990.66,2379.54 8990.66,3389.76 8866.86,3513.55 8866.86,3789.9 v1@8790.99,3865.78
  Bottom Layer w10: R26_U_VoltageAmplifier184.1@8757.09,3862.18 v1(8791.09,3862.18)
V_F4_IN36: P1_IO4.89 R28_U_VoltageAmplifier184.1 | length 2138.4
  Top Layer w7: P1_IO4.89@8458.48,2136.01 8458.68,2135.81 8707.8,2135.81 8969.11,2397.12 8969.11,3385.38 8852.86,3501.62 8852.86,3746.9 v1@8790.99,3808.78
  Bottom Layer w10: R28_U_VoltageAmplifier184.1@8757.09,3805.18 v1(8791.09,3805.18)
V_F4_IN37: P1_IO4.86 R26_U_VoltageAmplifier194.1 | length 1888.6
  Top Layer w7: P1_IO4.86@8458.48,2076.95 8458.68,2076.76 8761.78,2076.76 9035.71,2350.68 9035.71,3428.4 R26_U_VoltageAmplifier194.1@8950.75,3513.36
V_F4_IN38: P1_IO4.85 R28_U_VoltageAmplifier194.1 | length 1914.2
  Top Layer w7: P1_IO4.85@8458.48,2057.27 8458.68,2057.07 8782.97,2057.07 9056.28,2330.38 9056.28,3464.84 R28_U_VoltageAmplifier194.1@9007.75,3513.36
V_F4_IN39: P1_IO4.25 R26_U_VoltageAmplifier204.1 | length 1453.9
  Top Layer w7: R26_U_VoltageAmplifier204.1@7556.63,1204.72 7556.63,1172.28 7560.73,1168.18 7590.59,1168.18 7627.59,1205.18 7627.59,1462.68 7343.86,1746.41 7343.86,2107.82 7361.26,2125.22 7486.78,2125.22 7574.42,2037.58 P1_IO4.25@7612.97,2037.58
  Top Layer w10: R26_U_VoltageAmplifier204.1@7556.63,1204.72 R26_U_VoltageAmplifier204.1@7557.09,1205.18
V_F4_IN40: P1_IO4.21 R28_U_VoltageAmplifier204.1 | length 1331.8
  Top Layer w7: R28_U_VoltageAmplifier204.1@7557.09,1262.18 7557.55,1262.64 7557.55,1473.33 7299.44,1731.43 7299.44,2128.45 7348.33,2177.34 7498.88,2177.34 7560.9,2115.32 P1_IO4.21@7611.97,2115.32
V_F4_IN41: P1_IO4.22 R26_U_VoltageAmplifier214.1 | length 1346.5
  Top Layer w7: v1(7591.09,1262.18) 7591.09,1459.58 7313.44,1737.23 7313.44,2122.65 7346.38,2155.59 7498.9,2155.59 7558.86,2095.64 P1_IO4.22@7611.97,2095.64
  Bottom Layer w10: R26_U_VoltageAmplifier214.1@7557.09,1262.18 v1(7591.09,1262.18)
V_F4_IN42: P1_IO4.24 R28_U_VoltageAmplifier214.1 | length 1398.7
  Top Layer w7: v1(7591.09,1205.18) 7613.59,1227.68 7613.59,1456.88 7327.44,1743.03 7327.44,2111.73 7354.93,2139.22 7492.58,2139.22 7575.54,2056.27 P1_IO4.24@7611.97,2056.27
  Bottom Layer w10: R28_U_VoltageAmplifier214.1@7557.09,1205.18 v1(7591.09,1205.18)
V_F4_IN43: P1_IO4.39 R26_U_VoltageAmplifier224.1 | length 1051.9
  Top Layer w7: R26_U_VoltageAmplifier224.1@7557.09,855.18 7557.09,822.74 7561.19,818.64 7596.6,818.64 7695.37,917.41 7695.37,1468.06 7729.61,1502.3 P1_IO4.39@7729.61,1741.78
V_F4_IN44: P1_IO4.28 R28_U_VoltageAmplifier224.1 | length 1440.5
  Top Layer w7: R28_U_VoltageAmplifier224.1@7557.09,912.18 7557.09,948.26 7645.68,1036.86 7645.68,1464.38 7362.98,1747.08 7362.98,1930.39 7383.86,1951.26 7496.93,1951.26 7523.2,1977.53 P1_IO4.28@7611.97,1977.53
V_F4_IN45: P1_IO4.29 R26_U_VoltageAmplifier234.1 | length 1443
  Top Layer w7: v1(7591.09,912.18) 7662.47,983.56 7662.47,1467.4 7376.98,1752.88 7376.98,1924.59 7387.46,1935.06 7503.47,1935.06 7526.25,1957.84 P1_IO4.29@7611.97,1957.84
  Bottom Layer w10: R26_U_VoltageAmplifier234.1@7557.09,912.18 v1(7591.09,912.18)
V_F4_IN46: P1_IO4.38 R28_U_VoltageAmplifier234.1 | length 969.8
  Top Layer w7: v1(7591.09,855.18) 7678.68,942.78 7678.68,1471.18 7679.26,1471.75 7679.26,1473.59 7709.92,1504.26 P1_IO4.38@7709.92,1741.78
  Bottom Layer w10: R28_U_VoltageAmplifier234.1@7557.09,855.18 v1(7591.09,855.18)